# Altium PCB CL-HC-M-V2.1gerber.PcbDoc (part 9 of 16)
Units mil, origin at the board's own origin, x right, y up, seen from the top; angles counter-clockwise.
Board outline 27559.06 x 27559.06 mil, 2 copper layers (TopLayer, BottomLayer); 575 components, 528 nets, 1941 pads, 1850 vias.
Unrouted connection lines stored in the file: 70.
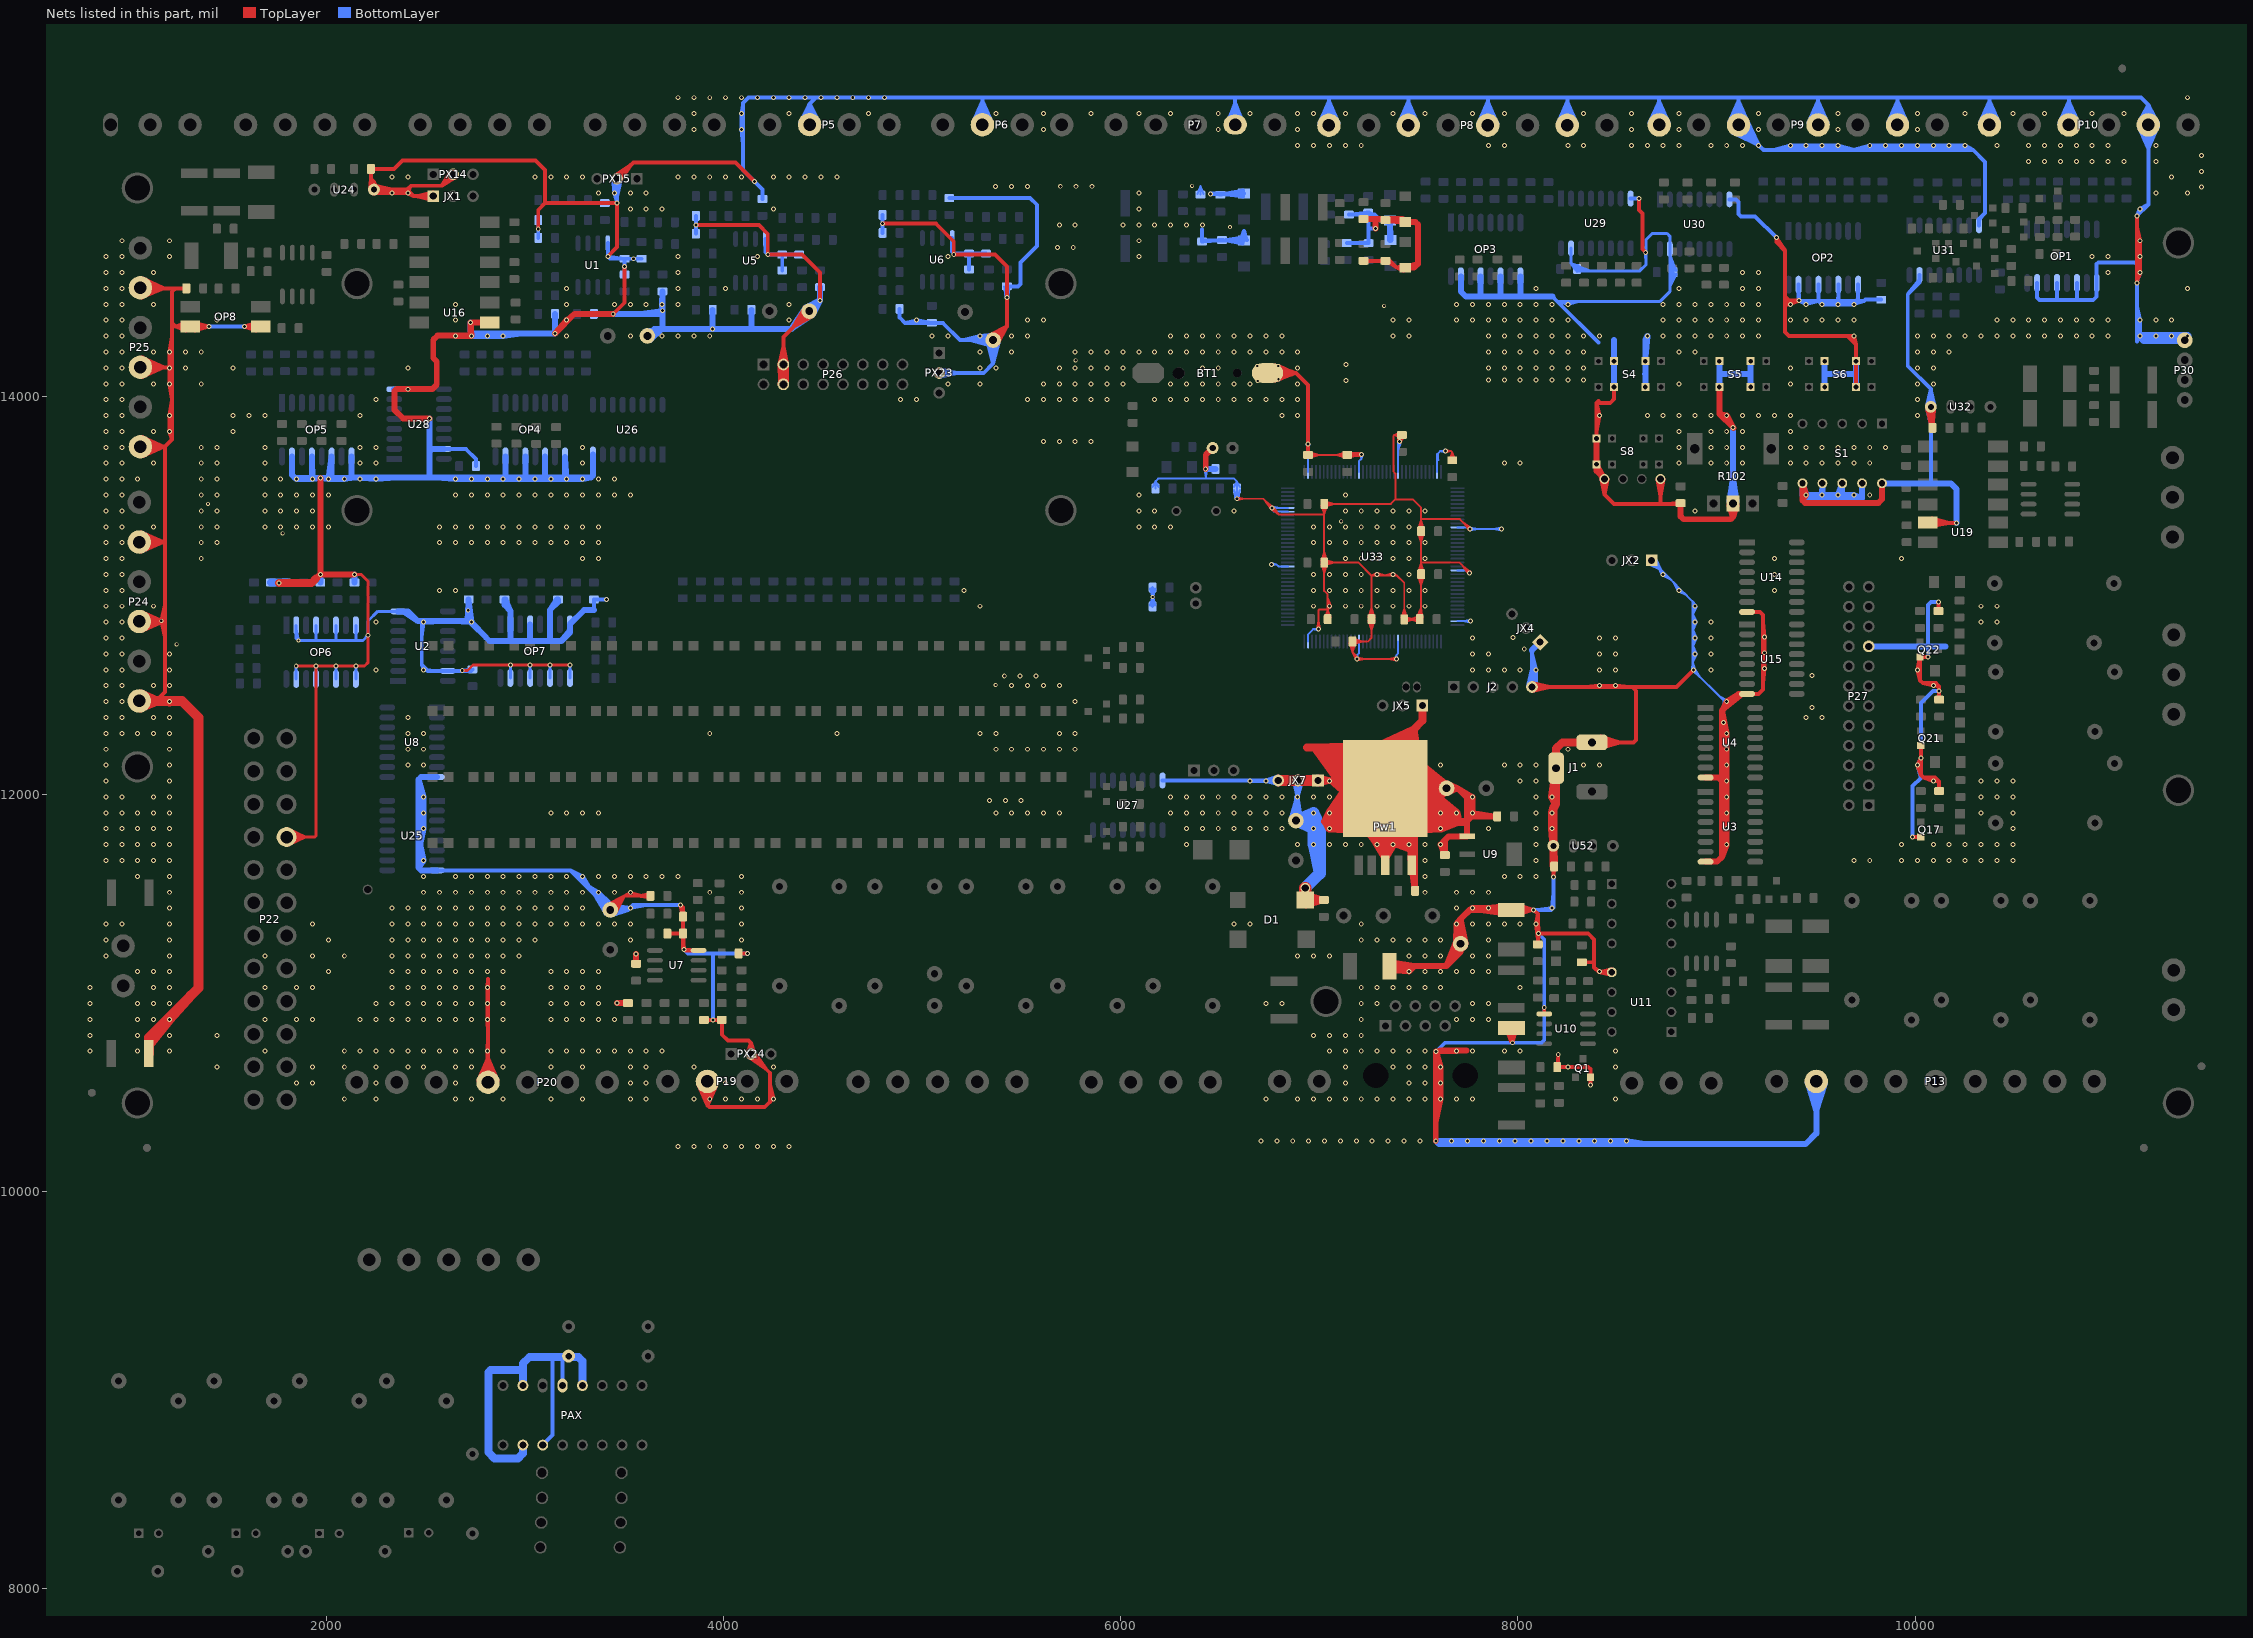
[diagram p9: the nets of this part, all layers, seen from the top]

## Via types
v1: diameter 25, hole 15, TopLayer to BottomLayer, tented both sides, 1813 vias
v2: diameter 20, hole 12, TopLayer to BottomLayer, tented both sides, 24 vias
v3: diameter 25, hole 15, TopLayer to BottomLayer, 13 vias

## Nets (pads, with @x,y where several pads share a name; then routed paths per layer and width w, separated by ;. In a path a pad name is that pad's centre, name@x,y a point inside that pad or via, vN(x,y) a via of type N, cw(c..) or ccw(c..) an arc to the next point about the centre after c; other vN are vias at no path point) (continued)
GND: (continued)
  BottomLayer w20: 1482.85,14353.79 v1(1410.35,14353.86) 1410.42,14353.79 v1(1588.88,14353.79) ; 2481.24,12791.1 v1(2491.13,12865.98) ; v1@2481.24,12870.5 2481.24,12651.94 ; U25.8@2557.38,11616.61 3230.89,11616.61 ; 2564.51,12620.5 v1(2491.13,12625.98) ; 2564.57,12620.5 v1(2491.13,12625.98) ; U25.8@2582.38,11616.61 2657.38,11616.61 ; U2.15@2587.38,12620.5 2512.68,12620.5 ; U28.15@2592.69,13738.36 2702.87,13738.36 2754.55,13686.68 ; U2.15@2612.59,12620.5 v1(2685.19,12622.27) ; U28.15@2617.69,13738.36 2692.69,13738.36 ; C78.1@2736.79,12628.47 C78.1@2728.82,12620.5 ; C82.1@2754.55,13651.55 2754.55,13686.68 ; C82.1@2754.55,13656.55 2754.55,13686.68 ; R112.1@3067.74,14800.36 v1(3067.74,14845.91) ; R112.1@3067.74,14805.36 v1(3067.74,14845.91) ; C21.2@3067.74,14885.36 v1(3067.74,14845.91) ; C21.2@3067.74,14890.36 v1(3067.74,14845.91) ; PAX.6@3090.14,8722.79 3140.14,8772.79 3140.14,9165.49 ; PAX.7@3190.14,9022.79 R220.2@3190.14,9165.49 ; 3297.27,11550.23 v1(3371.13,11505.98) ; 3336.59,11510.91 v1(3291.13,11585.98) ; 3350.6,12923.46 cw(c3350.6,12926.3) 3347.76,12926.3 R252.2@3347.76,12980.04 ccw(c3348.56,12980.04) 3348.56,12979.23 v1(3410.6,12979.23) R252.2@3352.76,12980.04 ; R111.1@3402.74,14975.36 v1(3465.12,14975.36) ; C88.2@3407.28,11399.01 3348.72,11498.77 ; R111.1@3407.74,14975.36 v1(3465.12,14975.36) ; C88.2@3415.2,11432.29 v1(3371.13,11505.98) ; U1.4@3417.74,14745.68 v1(3417.74,14707.42) ; U1.4@3417.74,14773.68 v1(3417.74,14707.42) ; C88.2@3431.27,11450.31 v1(3371.13,11505.98) ; C88.2@3435.32,11388 3520.22,11416.98 ; C88.2@3435.32,11445.95 3520.22,11416.98 ; C88.2@3448.48,11440.21 3348.72,11498.77 ; C88.2@3452.17,11416.98 v1(3531.13,11425.98) ; C88.2@3452.34,11440.14 v1(3531.13,11425.98) ; C88.2@3459.32,11396.19 v1(3531.13,11425.98) ; PX15.2@3483.55,15096.11 v1(3451.13,15025.98) ; PX15.2@3483.6,15096.3 3465.12,15008.69 ; C8.2@3500.11,14695.36 v1(3417.74,14707.42) ; 3610.02,11440.88 v1(3531.13,11425.98) ; v1(3784.92,11440.88) 3544.12,11440.88 ; v1(3802.54,11217.15) 3821.56,11198.14 3944.26,11198.14 ; v1(3948.17,10863.14) 3948.17,11194.22 3944.26,11198.14 ; v1@4091.58,15349.88 v1(4091.13,15425.98) ; 4099.67,15271.13 v1(4091.13,15345.98) v1@4099.67,15420.41 ; v1@4099.67,15351.05 v1(4091.13,15425.98) ; 4102.62,15138.27 v1(4157.55,15083.35) ; v1(4121.9,11198.14) 3944.26,11198.14 ; v1@4178.59,15506.05 v1(4251.13,15505.98) ; v1@4178.62,15506.64 v1(4251.13,15505.98) ; R113.1@4196.15,14996.22 4196.15,15044.74 v1(4157.55,15083.35) ; v1@4243.65,15506.64 v1(4171.13,15505.98) 4125.84,15506.64 ; v1@4258.59,15506.05 v1(4331.13,15505.98) ; v1@4258.62,15506.64 v1(4331.13,15505.98) ; C10.2@4291.15,14716.22 v1(4223.22,14716.22) ; C11.2@4296.15,14637.07 C10.2@4296.15,14716.22 ; v1@4323.65,15506.64 v1(4251.13,15505.98) ; v1@4338.59,15506.05 v1(4411.13,15505.98) ; v1@4338.62,15506.64 v1(4411.13,15505.98) ; P5.3@4386.15,15382.16 4433.84,15475.39 ; v1@4403.65,15506.64 v1(4331.13,15505.98) ; P5.3@4405.07,15374.7 4433.84,15475.39 ; P5.3@4433.84,15370.67 4433.84,15475.39 ; P5.3@4462.62,15374.7 4433.84,15475.39 ; P5.3@4481.53,15382.16 4433.84,15475.39 ; v1@4498.59,15506.05 v1(4571.13,15505.98) ; v1@4498.62,15506.64 v1(4571.13,15505.98) ; v1@4563.65,15506.64 v1(4491.13,15505.98) 4465.09,15506.64 ; v1@4578.59,15506.05 v1(4651.13,15505.98) ; v1@4578.62,15506.64 v1(4651.13,15505.98) ; v1@4643.65,15506.64 v1(4571.13,15505.98) ; v1@4658.59,15506.05 v1(4731.13,15505.98) ; v1@4658.62,15506.64 v1(4731.13,15505.98) ; v1@4723.65,15506.64 v1(4651.13,15505.98) ; v1@4738.59,15506.05 v1(4811.13,15505.98) ; v1@4738.62,15506.64 v1(4811.13,15505.98) ; v1@4803.65,15506.64 v1(4731.13,15505.98) ; 4883.65,15506.64 v1(4811.13,15505.98) ; C41.2@4886.86,14438.28 4886.86,14400.76 ; C41.2@4886.86,14443.28 4886.86,14400.76 ; C37.1@5047.69,14373.06 v1(4971.13,14385.98) ; C37.1@5054.19,14373.06 5104.28,14373.06 ; PX23.2@5086.21,14120.32 5310.51,14120.32 5357.9,14167.71 C85.2@5357.9,14285.79 ; PX23.2@5088.34,14100.91 5175.74,14120.32 PX23.2@5088.34,14139.73 ; R131.1@5136.86,15000.93 5544.22,15000.93 5577.86,14967.28 5577.86,14759.57 5495.63,14677.34 5495.63,14568.7 5483.7,14556.78 ; R131.1@5141.86,15000.93 5221.86,15000.93 ; U6.4@5151.86,14791.43 v1(5159.54,14717.34) ; U6.4@5151.86,14799.25 5151.86,14732.99 ; 5209.5,14285.79 v1(5291.13,14305.98) ; C29.2@5232.57,14720.93 v1(5159.54,14717.34) ; P6.3@5255.92,15379.46 5303.92,15488.41 ; P6.3@5275.08,15372.9 5303.92,15488.41 ; P6.3@5303.92,15369.36 5303.92,15503.23 ; C85.2@5328.77,14282.07 5357.9,14170.12 ; P6.3@5332.76,15372.9 5303.92,15488.41 ; P6.3@5351.92,15379.46 5303.92,15488.41 ; C85.2@5354.17,14256.66 5242.22,14285.79 ; C85.2@5387.03,14282.07 5357.9,14170.12 ; C26.2@5426.86,14556.78 5483.7,14556.78 ; C26.2@5431.86,14556.78 5483.7,14556.78 ; U27.8@6210.95,12068.83 v1@6731.13,12068.83 ; R5.1@6410.11,14782 6410.11,14843.5 ; R5.1@6415.11,14787 DW2.A@6620.11,14787 6620.11,14836.22 ; R5.1@6425.05,14787 C2.2@6505.11,14789.28 ; C2.2@6495.54,14789.01 6415.11,14782 C2.2@6495.59,14787 ; C15.2@6506.61,15017.63 6587.01,15023.35 ; C2.2@6515.11,14789.28 DW2.A@6595.17,14787 ; C15.2@6525.59,15023.35 v1(6452.9,15020.99) ; P7.2@6537.03,15377.94 6576.36,15480.67 ; P7.2@6556.44,15372.49 6576.36,15480.67 ; P7.2@6576.36,15370.67 6576.36,15504.54 ; 6578.33,12068.83 v1(6651.13,12065.98) v1@6723.86,12068.83 ; P7.2@6596.28,15372.49 6576.36,15480.67 ; DW2.A@6605.28,14789.29 6620.11,14836.22 ; DW6.A@6612.81,15008.84 6587.01,15023.35 ; DW6.A@6612.81,15037.86 6587.01,15023.35 ; DW2.A@6613.46,14772.09 C2.2@6530.09,14788.85 ; DW2.A@6613.78,14772.06 C2.2@6530.11,14787 ; DW2.A@6613.78,14801.94 C2.2@6530.11,14787 ; DW2.A@6614.11,14801.97 C2.2@6530.09,14788.85 ; DW6.A@6614.6,15038.21 6531.5,15019.4 ; DW6.A@6615.28,15008.41 6531.61,15023.35 ; DW6.A@6615.28,15038.29 6531.61,15023.35 ; P7.2@6615.69,15377.94 6576.36,15480.67 ; DW6.A@6615.98,15008.36 6531.5,15019.4 ; DW6.A@6621.61,15023.35 v1@6452.9,15023.35 ; DW2.A@6634.93,14789.29 6620.11,14836.22 ; v1@6657.96,12066.25 v1(6731.13,12065.98) ; v1@6658.33,12068.83 v1(6731.13,12065.98) ; JX7.3@6791.61,12049.37 JX7.2@6881.78,12051.5 ; JX7.3@6791.61,12088.29 JX7.2@6881.78,12086.16 ; JX7.3@6795.4,12049.42 6882.8,12068.83 JX7.3@6795.4,12088.24 ; JX7.3@6799.08,12050.18 JX7.2@6881.78,12086.16 ; JX7.3@6799.08,12087.47 JX7.2@6881.78,12051.5 ; C45.2@6853.33,11870.95 6882.38,11965.98 ; 6867.29,11916.62 v1(6891.13,11985.98) ; JX7.2@6873.92,12066.22 v1@6893.27,11995.75 ; JX7.2@6875.92,12058.95 v1(6891.13,11985.98) ; C45.2@6882.38,11866.61 6882.38,11984.85 v1@6893.27,11995.75 ; 6882.38,11911.04 v1(6891.13,11985.98) ; JX7.2@6891.14,12049.42 6803.74,12068.83 JX7.2@6891.14,12088.24 ; JX7.2@6891.61,12049.37 JX7.1@6981.78,12051.5 ; JX7.2@6891.61,12088.29 JX7.1@6981.78,12086.16 ; JX7.2@6893.27,12059.03 v1(6891.13,11985.98) ; JX7.2@6899.08,12050.18 JX7.1@6981.78,12086.16 ; JX7.2@6899.08,12087.47 JX7.1@6981.78,12051.5 ; C45.2@6905.7,11889.68 v1(6891.13,11985.98) ; JX7.2@6909.95,12056.49 v1(6891.13,11985.98) ; C45.2@6911.42,11870.95 6882.38,11965.98 ; JX7.2@6912.62,12066.22 v1@6893.27,11995.75 ; JX7.1@6991.14,12049.42 JX7.2@6903.74,12068.83 ; JX7.1@6991.14,12088.24 JX7.2@6903.74,12068.83 ; P8.1@7000.32,15377.17 7048.32,15486.11 ; P8.1@7019.48,15370.6 7048.32,15486.11 ; P8.1@7048.32,15367.06 7048.32,15500.93 ; P8.1@7077.16,15370.6 7048.32,15486.11 ; P8.1@7096.32,15377.17 7048.32,15486.11 ; R11.1@7138.04,14774.21 C13.2@7248.04,14774.21 ; R6.1@7149.13,14917.19 7277.95,14917.19 ; R6.1@7160.05,14917.19 C3.2@7241.12,14927.18 ; R11.1@7163.04,14774.21 C13.2@7243.04,14773.67 ; C13.2@7223.04,14774.21 7143.04,14774.21 C13.2@7223.17,14773.81 ; C3.2@7233.83,14926.28 7154.13,14917.19 C3.2@7234.13,14917.19 ; 7243.64,14892.48 7307.77,14887.37 ; C3.2@7246.12,14927.18 7246.57,14854.22 ; C3.2@7246.57,14912.19 7246.57,14854.22 ; v1(7281.99,14846.87) 7253.92,14846.87 7248.04,14852.74 ; DW3.A@7349.02,14872.26 7307.77,14887.37 ; DW3.A@7349.26,14901.82 7307.77,14887.37 ; DW3.A@7351.7,14887.02 7307.77,14887.37 ; DW3.A@7356.7,14887.02 7356.36,14887.37 7307.77,14887.37 ; P8.3@7400.32,15377.17 7448.32,15486.11 ; P8.3@7419.48,15370.6 7448.32,15486.11 ; P8.3@7448.32,15367.06 7448.32,15500.93 ; P8.3@7477.16,15370.6 7448.32,15486.11 ; P8.3@7496.32,15377.17 7448.32,15486.11 ; v1(7588.58,10705.33) 7631.61,10748.36 v1(7971.53,10748.36) 8117.38,10748.36 8132.38,10763.36 v1(8132.38,10925.74) ; P8.5@7800.32,15377.17 7848.32,15486.11 ; P8.5@7819.48,15370.6 7848.32,15486.11 ; P8.5@7848.32,15367.06 7848.32,15500.93 ; P8.5@7877.16,15370.6 7848.32,15486.11 ; P8.5@7896.32,15377.17 7848.32,15486.11 ; J2.5@8051.02,12541.68 8070.43,12629.08 ; J2.5@8054.24,12556.17 v1(8091.13,12625.98) ; J2.5@8070.43,12539.55 8070.43,12713.52 ; J2.5@8070.43,12544.3 v1(8091.13,12625.98) ; 8070.43,12707.69 v1(8091.13,12625.98) ; v1(8077.89,11417.65) 8165.33,11417.65 8177.95,11430.27 v1(8177.95,11582) ; 8095.48,11417.65 v1(8171.13,11425.98) 8177.95,11500.6 ; v1@8099.85,11298.36 v1(8102.38,11298.36) 8132.38,11268.36 v1(8132.38,10925.74) ; 8132.38,10853.24 v1(8132.38,10925.74) ; 8173.5,14505.62 8197.88,14481.25 8405.28,14273.85 ; P8.7@8200.32,15377.17 8248.32,15486.11 ; P8.7@8219.48,15370.6 8248.32,15486.11 ; P8.7@8248.32,15367.06 8248.32,15500.93 ; P8.7@8277.16,15370.6 8248.32,15486.11 ; P8.7@8296.32,15377.17 8248.32,15486.11 ; U29.8@8567.38,14998.36 v1(8609.86,14998.36) ; P9.1@8662.72,15379.13 8710.72,15488.08 ; P9.1@8681.88,15372.57 8710.72,15488.08 ; P9.1@8710.72,15369.03 8710.72,15502.9 ; P9.1@8739.56,15372.57 8710.72,15488.08 ; P9.1@8758.72,15379.13 8710.72,15488.08 ; P9.3@9062.72,15379.13 9110.72,15488.08 ; U30.8@9064.38,14994.42 9096.67,14994.42 9110.77,14980.31 9110.77,14921.77 9123.87,14908.67 9194.2,14908.67 v1(9301.19,14801.68) ; P9.3@9081.88,15372.57 9110.72,15488.08 ; P9.3@9082.47,15328.92 v1@9212.2,15267.55 ; P9.3@9092.36,15346.51 v1@9212.2,15267.55 ; 9110.72,15502.9 P9.3@9110.72,15369.03 9235.72,15244.03 ; P9.3@9133.24,15387.39 v1@9212.2,15267.55 ; P9.3@9139.56,15372.57 9110.72,15488.08 ; 9145.03,15299.33 v1(9211.13,15265.98) ; 9149.38,15308.94 v1(9211.13,15265.98) ; P9.3@9150.83,15397.28 v1@9212.2,15267.55 ; 9157.63,15322.12 v1(9211.13,15265.98) ; P9.3@9158.72,15379.13 9110.72,15488.08 ; 9171.37,15329.52 v1(9211.13,15265.98) ; 9181.03,15333.43 v1(9211.13,15265.98) ; 9287.61,15244.03 v1(9371.13,15265.98) ; 9366.97,15244.03 v1(9451.13,15265.98) ; OP2.15@9412.76,14557.37 v1(9414.55,14484.74) ; OP2.15@9412.76,14565.04 v1@9412.76,14487.97 ; P9.5@9462.72,15379.13 9510.72,15488.08 ; P9.5@9481.88,15372.57 9510.72,15488.08 ; P9.5@9510.72,15369.03 9510.72,15502.9 ; OP2.13@9512.76,14535.04 9512.76,14483.36 ; OP2.13@9512.76,14565.04 9512.76,14483.36 ; 9527.35,15244.03 v1(9611.13,15265.98) ; 9531.48,14483.36 v1(9611.13,14465.98) ; P9.5@9539.56,15372.57 9510.72,15488.08 ; P9.5@9558.72,15379.13 9510.72,15488.08 ; 9610.7,14483.36 v1(9691.13,14465.98) ; OP2.11@9612.76,14538.56 v1(9611.13,14465.98) ; OP2.11@9612.76,14565.04 9612.76,14483.74 ; 9686.61,15244.03 v1(9771.13,15265.98) ; 9695.65,15244.03 v1(9611.13,15265.98) ; OP2.9@9712.76,14535.04 9712.76,14493.9 ; OP2.9@9712.76,14565.04 9712.76,14493.9 ; 9766.46,15244.03 v1(9851.13,15265.98) ; C74.1@9823.96,14489.03 9749.28,14489.63 ; C74.1@9828.96,14489.03 9828.36,14489.63 9749.28,14489.63 ; 9846.37,15244.03 v1(9931.13,15265.98) ; P9.7@9862.72,15379.13 9910.72,15488.08 ; P9.7@9881.88,15372.57 9910.72,15488.08 ; P9.7@9910.72,15369.03 9910.72,15502.9 ; P9.7@9939.56,15372.57 9910.72,15488.08 ; P9.7@9958.72,15379.13 9910.72,15488.08 ; 9964.96,14518.95 U31.15@10021.61,14588.63 ; v1(9987.01,11783.96) 9987.01,12040.44 10028.13,12081.57 ; U31.15@10021.61,14613.63 10021.61,14575.6 9962.38,14516.36 9962.38,14156.14 10078.34,14040.18 U32.1@10078.34,13950.07 10078.34,13569.28 10082.58,13565.04 ; U32.1@10058.46,13947.85 10078.34,13860.07 U32.1@10098.22,13947.85 ; U32.1@10058.46,13952.3 10078.34,14040.07 U32.1@10098.22,13952.3 ; v1(10064.32,12690.42) 10064.32,12743.88 10064.32,12952.3 10080.38,12968.36 v1(10118.38,12968.36) ; 10087.35,15244.03 v1(10171.13,15265.98) ; v1(10119.35,12519.83) 10088.99,12519.83 10028.13,12458.97 v1(10028.13,12182.72) ; 10166.86,15244.03 v1(10251.13,15265.98) ; U31.8@10321.61,14863.63 10321.61,14896.53 10351.61,14926.53 ; U31.8@10321.61,14888.63 10351.61,14926.53 ; P10.1@10325.71,15379.13 10373.71,15488.08 ; P10.1@10344.88,15372.57 10373.71,15488.08 ; P10.1@10373.71,15369.03 10373.71,15502.9 ; P10.1@10402.55,15372.57 10373.71,15488.08 ; P10.1@10421.72,15379.13 10373.71,15488.08 ; OP1.15@10613.86,14543.5 10613.86,14500.39 ; OP1.15@10613.86,14573.5 10613.86,14500.39 ; OP1.13@10713.86,14543.5 10713.86,14492.02 OP1.13@10713.86,14573.5 ; P10.3@10725.71,15379.13 10773.71,15488.08 ; P10.3@10744.88,15372.57 10773.71,15488.08 ; P10.3@10773.71,15369.03 10773.71,15502.9 ; P10.3@10802.55,15372.57 10773.71,15488.08 ; OP1.11@10813.86,14543.5 10813.86,14490.79 OP1.11@10813.86,14573.5 ; P10.3@10821.72,15379.13 10773.71,15488.08 ; OP1.9@10913.86,14543.5 10913.86,14506 ; OP1.9@10913.86,14603.5 10913.86,14668.85 ; 11115.41,14307.3 v1(11131.13,14385.98) ; 11115.41,14465.26 v1(11131.13,14385.98) ; P10.5@11125.71,15358.92 11173.71,15249.97 ; P10.5@11126.12,15380.9 11173.71,15470.33 ; P10.5@11144.88,15365.48 11173.71,15249.97 ; P10.5@11144.96,15373.19 11173.71,15470.33 ; P10.5@11202.47,15373.19 11173.71,15470.33 ; P10.5@11202.55,15365.48 11173.71,15249.97 ; P10.5@11221.31,15380.9 11173.71,15470.33 ; P10.5@11221.72,15358.92 11173.71,15249.97 ; 2481.24,12651.94 2512.68,12620.5 ; 2481.24,12651.94 v1(2491.13,12625.98) ; v1(2491.13,12625.98) 2512.68,12620.5 ; v1(2491.13,12625.98) 2512.68,12620.5 ; v1(2491.13,12625.98) 2512.68,12620.5 ; 2512.68,12620.5 U2.15@2612.38,12620.5 v1@2683.41,12620.5 ; v1@2683.41,12620.5 C78.1@2728.82,12620.5 ; v1@2683.41,12620.5 2637.38,12620.5 v1(2685.19,12622.27) ; v1@2683.41,12620.5 2731.79,12628.47 v1(2685.19,12622.27) ; v1(2685.19,12622.27) C78.1@2728.82,12620.5 ; 3230.89,11616.61 3276.32,11571.17 ; 3230.89,11616.61 v1(3291.13,11585.98) ; 3276.32,11571.17 C88.2@3430.52,11416.98 3520.22,11416.98 ; 3276.32,11571.17 v1(3291.13,11585.98) ; 3276.32,11571.17 v1(3291.13,11585.98) ; 3348.72,11498.77 v1(3371.13,11505.98) ; v1(3417.74,14707.42) 3429.81,14695.36 ; v1(3417.74,14707.42) 3497.74,14695.36 3429.81,14695.36 ; 3429.81,14695.36 C8.2@3502.74,14695.36 ; v1(3451.13,15025.98) PX15.2@3465.12,15097.26 ; v1(3451.13,15025.98) v1(3465.12,14975.36) ; v1(3451.13,15025.98) 3465.12,15008.69 ; v1(3451.13,15025.98) 3465.12,15008.69 ; v1(3451.13,15025.98) PX15.2@3464.16,15098.22 ; v1(3451.13,15025.98) 3465.12,15008.69 ; v1(3451.13,15025.98) 3444.78,15095.89 3465.12,15008.69 ; PX15.2@3464.16,15098.22 PX15.2@3465.12,15097.26 ; PX15.2@3464.16,15098.22 3465.12,15008.69 ; v1(3465.12,14975.36) PX15.2@3465.12,15097.26 ; C8.2@3502.74,14695.36 C9.2@3502.74,14616.21 v1(3501.54,14657.11) C8.2@3502.74,14695.36 ; C8.2@3502.74,14695.36 C4.2@3587.74,14695.36 ; C8.2@3502.74,14695.36 C4.2@3582.74,14695.36 ; C8.2@3502.74,14695.36 v1(3546.4,14695.43) ; C8.2@3502.74,14695.36 v1(3546.4,14695.43) ; C8.2@3507.74,14695.36 C4.2@3587.74,14695.36 ; C8.2@3507.74,14695.36 C4.2@3582.74,14695.36 ; C8.2@3507.74,14695.36 v1(3546.4,14695.43) ; C8.2@3507.74,14695.36 v1(3546.4,14695.43) ; 3520.22,11416.98 3544.12,11440.88 ; v1(3531.13,11425.98) 3544.12,11440.88 ; v1(3531.13,11425.98) 3544.12,11440.88 ; v1(3546.4,14695.43) C4.2@3587.74,14695.36 ; v1(3546.4,14695.43) C4.2@3582.74,14695.36 ; v1(3546.4,14695.43) C4.2@3587.74,14695.36 ; v1(3546.4,14695.43) C4.2@3582.74,14695.36 ; R114.1@3861.15,14826.22 C23.2@3861.15,14906.22 ; R114.1@3861.15,14826.22 C23.2@3861.15,14906.22 ; R114.1@3861.15,14826.22 C23.2@3861.15,14906.22 ; R114.1@3861.15,14826.22 v1(3861.36,14865.06) ; R114.1@3861.15,14826.22 v1(3861.36,14865.06) ; R114.1@3861.15,14826.22 v1(3861.36,14865.06) ; C23.2@3861.15,14906.22 v1(3861.36,14865.06) ; C23.2@3861.15,14906.22 v1(3861.36,14865.06) ; C23.2@3861.15,14906.22 v1(3861.36,14865.06) ; v1(3861.36,14865.06) C23.2@3861.15,14911.22 R114.1@3861.15,14821.22 v1(3861.36,14865.06) ; v1(4091.13,15425.98) 4099.67,15480.47 ; 4099.67,15480.47 4125.84,15506.64 ; 4099.67,15480.47 4099.67,15425.98 4099.67,15141.22 v1(4157.55,15083.35) ; 4125.84,15506.64 4411.13,15506.64 4465.09,15506.64 ; 4211.15,14728.28 U5.4@4211.15,14794.54 v1(4223.22,14716.22) ; 4211.15,14728.28 v1(4223.22,14716.22) ; 4211.15,14728.28 4211.15,14766.54 v1(4223.22,14716.22) ; v1(4223.22,14716.22) C10.2@4296.15,14716.22 ; C10.2@4296.15,14716.22 C6.2@4381.15,14716.22 4301.15,14716.22 4376.15,14716.22 C10.2@4296.15,14716.22 ; v1(4411.13,15505.98) 4465.09,15506.64 ; 4433.84,15475.39 4465.09,15506.64 ; 4465.09,15506.64 4731.13,15506.64 11137.41,15506.64 11173.71,15470.33 ; v1(4801.67,14871.66) C40.2@4801.86,14915.93 R132.1@4801.86,14825.93 v1(4801.67,14871.66) ; v1(4801.67,14871.66) C40.2@4801.86,14910.93 ; v1(4801.67,14871.66) R132.1@4801.86,14830.93 ; v1(4801.67,14871.66) C40.2@4801.86,14910.93 ; v1(4801.67,14871.66) R132.1@4801.86,14830.93 ; v1(4801.67,14871.66) C40.2@4801.86,14910.93 ; v1(4801.67,14871.66) R132.1@4801.86,14830.93 ; R132.1@4801.86,14830.93 C40.2@4801.86,14910.93 ; R132.1@4801.86,14830.93 C40.2@4801.86,14910.93 ; R132.1@4801.86,14830.93 C40.2@4801.86,14910.93 ; 4886.86,14400.76 4914.57,14373.06 ; 4914.57,14373.06 C37.1@5049.19,14373.06 5104.28,14373.06 ; 4914.57,14373.06 v1(4971.13,14385.98) ; v1(4971.13,14385.98) 5044.19,14373.06 4964.19,14373.06 v1(4971.13,14385.98) ; 5104.28,14373.06 5191.55,14285.79 C85.2@5357.9,14285.79 ; 5151.86,14732.99 v1@5163.93,14720.93 ; 5151.86,14732.99 5151.86,14771.25 v1(5159.54,14717.34) ; 5151.86,14732.99 v1(5159.54,14717.34) ; 5151.86,14732.99 v1(5159.54,14717.34) ; 5151.86,14732.99 v1(5159.54,14717.34) ; v1(5159.54,14717.34) 5231.86,14720.93 v1@5163.93,14720.93 ; v1@5163.93,14720.93 C29.2@5236.86,14720.93 ; C29.2@5236.86,14720.93 C25.2@5321.86,14720.93 5241.86,14720.93 5316.86,14720.93 C29.2@5236.86,14720.93 ; C29.2@5236.86,14720.93 C30.2@5236.86,14641.78 C29.2@5236.86,14720.93 ; 5242.22,14285.79 5354.17,14314.93 v1(5291.13,14305.98) ; 5242.22,14285.79 C85.2@5357.9,14285.79 ; 5242.22,14285.79 v1(5291.13,14305.98) ; 5242.22,14285.79 v1(5291.13,14305.98) ; v1(5291.13,14305.98) C85.2@5357.9,14285.79 ; v1(5291.13,14305.98) C85.2@5357.9,14285.79 ; 5357.9,14170.12 C85.2@5357.9,14285.79 ; v1(6452.9,15020.99) v1@6452.9,15023.35 ; v1(6452.9,15020.99) 6496.61,15017.63 v1@6452.9,15023.35 ; C2.2@6530.11,14787 6615.11,14787 C2.2@6530.09,14788.85 ; 6531.5,15019.4 DW6.A@6616.61,15023.35 ; 6531.61,15023.35 DW6.A@6616.61,15023.35 ; 6587.01,15023.35 DW6.A@6616.61,15023.35 ; v1(6731.13,12065.98) JX7.3@6793.27,12068.83 ; v1(6731.13,12065.98) 6790.2,12049.54 v1@6731.13,12068.83 ; v1(6731.13,12065.98) 6790.2,12088.11 v1@6731.13,12068.83 ; v1@6731.13,12068.83 JX7.3@6793.27,12068.83 ; JX7.3@6793.27,12068.83 JX7.2@6893.27,12068.83 ; JX7.3@6793.27,12068.83 JX7.2@6881.78,12051.5 ; JX7.3@6793.27,12068.83 JX7.2@6881.78,12086.16 ; 6882.38,11965.98 v1(6891.13,11985.98) ; 6882.38,11965.98 v1(6891.13,11985.98) ; v1@6893.27,11995.75 JX7.2@6893.27,12068.83 ; JX7.2@6893.27,12068.83 JX7.1@6993.27,12068.83 JX7.2@6903.74,12068.83 ; JX7.2@6893.27,12068.83 JX7.1@6981.78,12051.5 ; JX7.2@6893.27,12068.83 JX7.1@6981.78,12086.16 ; JX7.2@6893.27,12068.83 JX7.1@6982.8,12068.83 ; JX7.1@6982.8,12068.83 6895.4,12088.24 JX7.1@6982.8,12068.83 ; JX7.1@6982.8,12068.83 6895.4,12049.42 JX7.1@6982.8,12068.83 ; 7246.57,14854.22 7248.04,14852.74 ; C13.2@7248.04,14774.21 7248.04,14852.74 ; C13.2@7248.04,14774.21 C13.2@7248.04,14773.67 7248.04,14852.74 ; C3.2@7251.12,14927.18 7307.77,14887.37 ; C3.2@7251.12,14927.18 7277.95,14917.19 ; C3.2@7251.12,14927.18 7277.95,14917.19 ; 7277.95,14917.19 7307.77,14887.37 ; 8070.43,12629.08 8089.84,12541.68 v1(8091.13,12625.98) ; 8070.43,12629.08 v1(8091.13,12625.98) ; 8070.43,12629.08 v1(8091.13,12625.98) ; v1(9211.13,15265.98) 9235.72,15244.03 ; 9235.72,15244.03 9451.13,15244.03 ; v1(9371.13,15265.98) 9451.13,15244.03 ; v1(9371.13,15265.98) v1(9451.13,15265.98) ; v1@9412.76,14487.97 v1@9417.38,14483.36 ; v1@9412.76,14487.97 9412.76,14535.04 v1(9414.55,14484.74) ; v1(9414.55,14484.74) 9487.13,14483.36 v1(9451.13,14465.98) 